# KiCad board scanhead_pcb.kicad_pcb (continued)
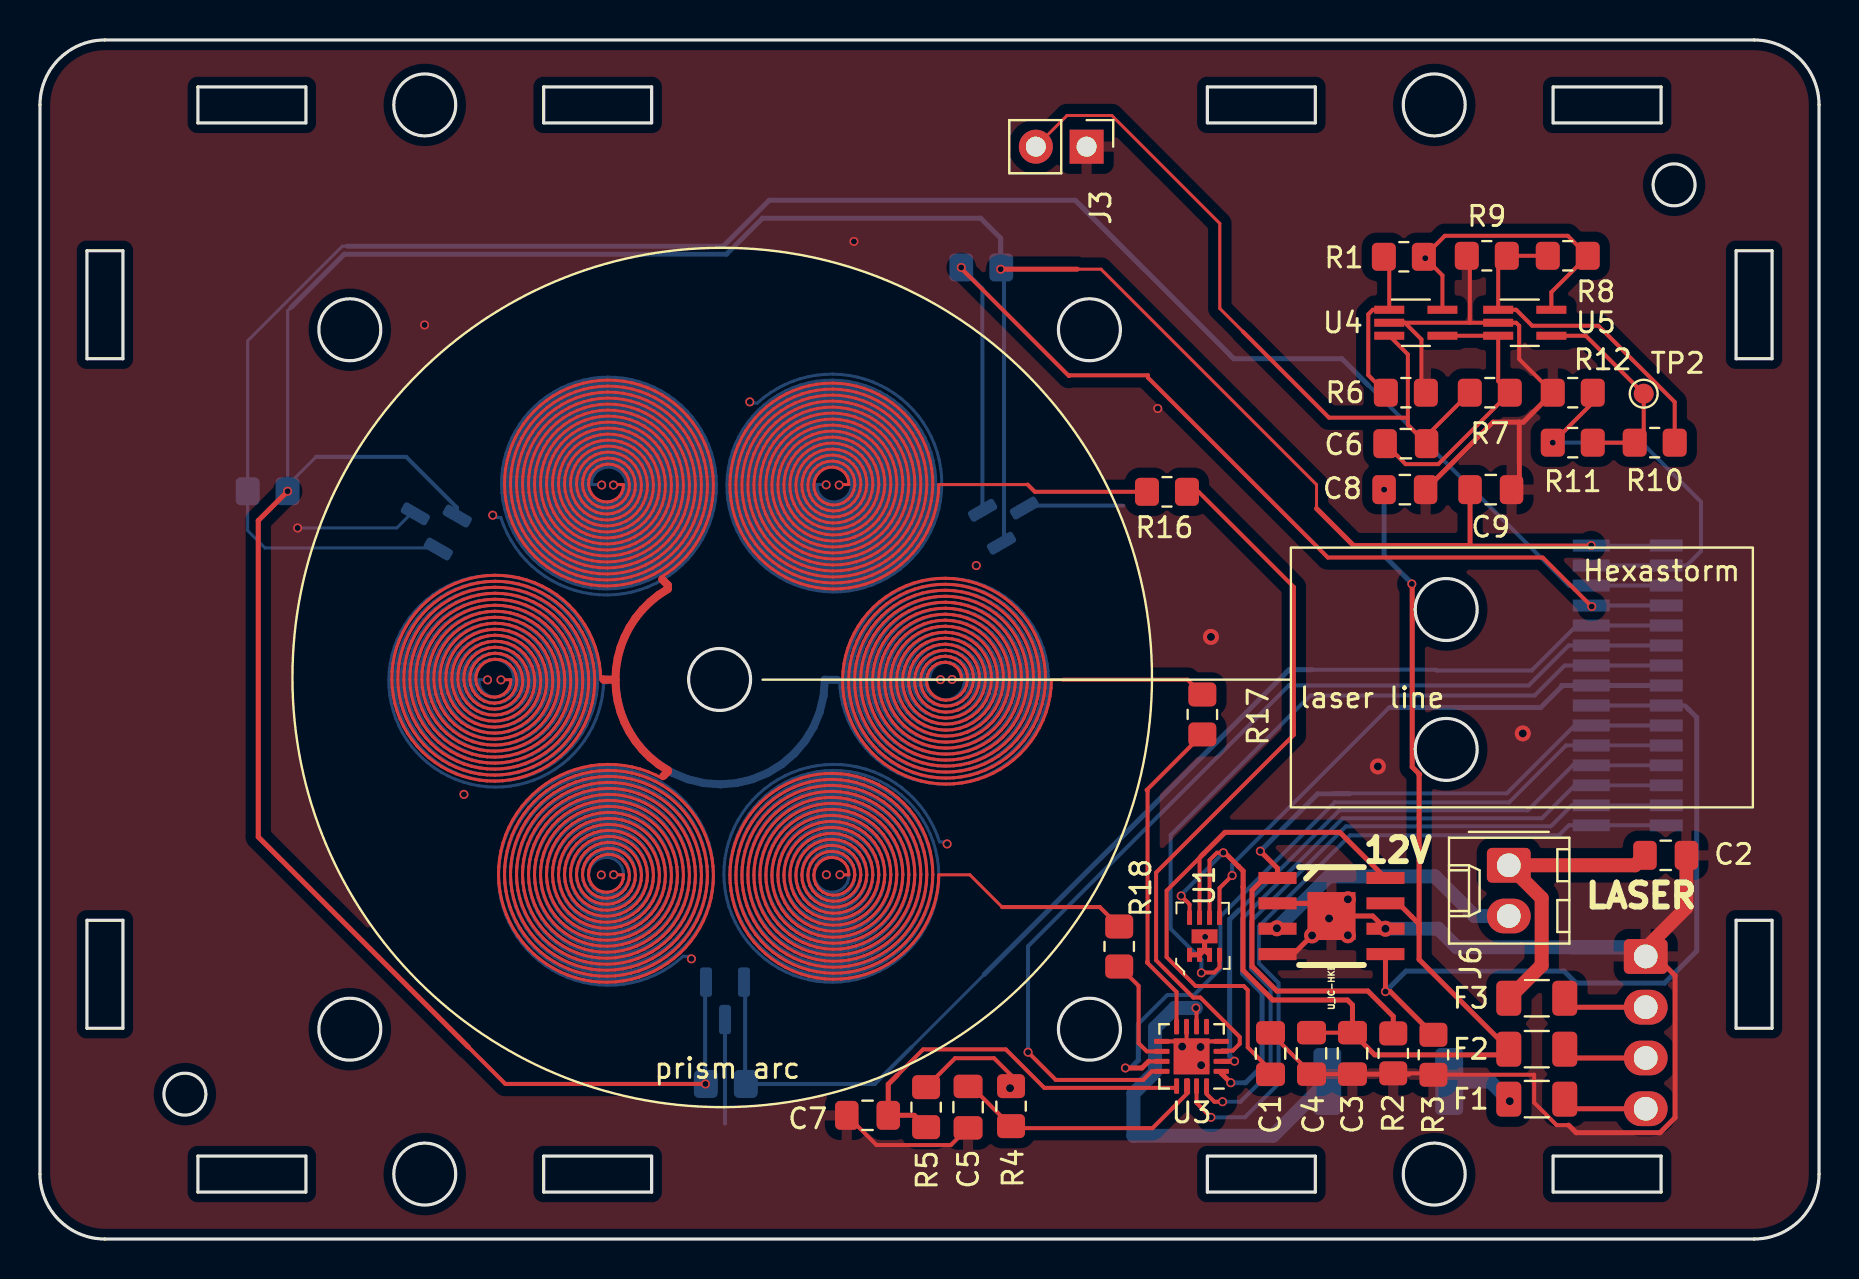
[diagram p0: board, top side]
## Routing (per net, layer and track width the routed paths; a pad name or vN(x,y) marks a point on that pad's centre or on a via; arc(x,y) is an arc through that point) (continued)
22.36,33.36 22.76,33.37 23.17,33.35 23.56,33.3 23.96,33.22 24.34,33.12 24.72,32.98 25.09,32.82 25.44,32.63 25.78,32.41 26.1,32.17 26.4,31.91 26.68,31.62 26.93,31.32 27.17,30.99 27.38,30.66 27.56,30.3 27.71,29.94 27.84,29.56 27.94,29.17 28.01,28.78 28.05,28.39 28.06,27.99 28.04,27.58 27.99,27.17 27.91,26.76 27.79,26.36 27.64,25.97 27.47,25.6 27.26,25.24 27.03,24.9 26.77,24.57 26.49,24.27 26.18,23.99 25.85,23.74 25.51,23.52 25.15,23.32 24.77,23.15 24.38,23.01 23.99,22.9 23.58,22.82 23.17,22.78 22.76,22.77 22.35,22.79 21.95,22.84 21.55,22.92 21.15,23.04 20.77,23.18 20.4,23.36 20.05,23.56 19.71,23.79 19.39,24.05 19.1,24.32 18.82,24.63 18.57,24.95 18.35,25.29 18.16,25.64 17.99,26.02 17.85,26.4 17.75,26.79 17.67,27.19 17.63,27.59 17.61,27.99 17.63,28.4 17.68,28.8 17.77,29.19 17.88,29.58 18.02,29.96 18.2,30.32 18.4,30.67 18.62,31 18.87,31.32 19.15,31.61 19.45,31.88 19.76,32.12 20.1,32.34 20.45,32.53 20.81,32.7 21.19,32.83 21.58,32.94 21.97,33.01 22.37,33.06 22.76,33.07 23.16,33.05 23.56,33 23.95,32.92 24.33,32.81 24.7,32.66 25.06,32.49 25.4,32.3 25.73,32.07 26.04,31.83 26.33,31.56 26.59,31.26 26.83,30.95 27.05,30.62 27.24,30.27 27.4,29.91 27.53,29.54 27.64,29.16 27.71,28.78 27.75,28.39 27.76,27.99 27.74,27.58 27.69,27.17 27.6,26.77 27.48,26.37 27.32,25.99 27.14,25.62 26.93,25.27 26.68,24.94 26.42,24.63 26.12,24.34 25.81,24.08 25.47,23.85 25.12,23.64 24.75,23.46 24.37,23.32 23.98,23.21 23.58,23.13 23.17,23.08 22.76,23.07 22.36,23.09 21.95,23.14 21.56,23.23 21.17,23.35 20.79,23.5 20.43,23.68 20.09,23.89 19.76,24.13 19.45,24.4 19.17,24.68 18.91,24.99 18.68,25.33 18.48,25.67 18.3,26.04 18.16,26.41 18.05,26.8 17.97,27.19 17.93,27.59 17.91,27.99 17.93,28.39 17.99,28.79 18.07,29.18 18.19,29.56 18.34,29.93 18.52,30.29 18.73,30.63 18.96,30.95 19.22,31.25 19.51,31.53 19.81,31.79 20.14,32.01 20.48,32.21 20.84,32.38 21.21,32.52 21.59,32.63 21.98,32.71 22.37,32.76 22.76,32.77 23.16,32.75 23.55,32.7 23.93,32.61 24.31,32.49 24.67,32.35 25.03,32.17 25.36,31.97 25.68,31.74 25.97,31.48 26.25,31.2 26.5,30.9 26.72,30.58 26.92,30.24 27.09,29.89 27.22,29.52 27.33,29.15 27.41,28.77 27.45,28.38 27.46,27.99 27.44,27.58 27.38,27.18 27.29,26.78 27.16,26.39 27,26.02 26.81,25.66 26.59,25.31 26.34,24.99 26.06,24.7 25.76,24.42 25.43,24.18 25.09,23.97 24.73,23.78 24.35,23.63 23.96,23.51 23.57,23.43 23.17,23.38 22.76,23.37 22.36,23.39 21.96,23.45 21.57,23.54 21.19,23.66 20.82,23.82 20.46,24.01 20.13,24.23 19.81,24.48 19.52,24.75 19.25,25.05 19.01,25.37 18.8,25.71 18.62,26.06 18.47,26.43 18.36,26.81 18.27,27.2 18.23,27.6 18.21,27.99 18.24,28.39 18.29,28.78 18.38,29.17 18.5,29.54 18.66,29.91 18.85,30.26 19.06,30.59 19.3,30.9 19.57,31.18 19.87,31.45 20.18,31.68 20.51,31.89 20.86,32.07 21.23,32.21 21.6,32.33 21.99,32.41 22.37,32.46 22.76,32.47 23.15,32.45 23.54,32.39 23.92,32.3 24.29,32.18 24.65,32.03 24.99,31.85 25.31,31.63 25.62,31.4 25.9,31.13 26.16,30.84 26.39,30.53 26.6,30.21 26.77,29.86 26.91,29.5 27.03,29.14 27.11,28.76 27.15,28.38 27.16,27.99 27.14,27.59 27.08,27.19 26.98,26.79 26.85,26.41 26.68,26.04 26.48,25.69 26.25,25.36 25.99,25.05 25.7,24.77 25.39,24.52 25.05,24.29 24.7,24.1 24.33,23.94 23.95,23.82 23.56,23.73 23.16,23.68 22.76,23.67 22.37,23.69 21.97,23.75 21.58,23.85 21.21,23.98 20.85,24.14 20.5,24.34 20.18,24.57 19.87,24.82 19.6,25.11 19.35,25.41 19.13,25.74 18.94,26.09 18.78,26.45 18.66,26.83 18.58,27.21 18.53,27.6 18.51,27.99 18.54,28.38 18.59,28.77 18.69,29.15 18.82,29.52 18.98,29.88 19.17,30.22 19.4,30.54 19.65,30.83 19.93,31.1 20.23,31.35 20.55,31.57 20.89,31.75 21.25,31.9 21.62,32.02 22,32.11 22.38,32.15 22.76,32.17 23.15,32.15 23.53,32.09 23.9,32 24.27,31.87 24.62,31.71 24.95,31.52 25.26,31.3 25.55,31.05 25.82,30.78 26.06,30.48 26.27,30.17 26.45,29.83 26.6,29.48 26.72,29.12 26.8,28.75 26.85,28.37 26.86,27.99 26.84,27.59 26.78,27.2 26.67,26.81 26.53,26.43 26.36,26.07 26.15,25.73 25.91,25.41 25.64,25.12 25.34,24.86 25.02,24.62 24.67,24.42 24.31,24.26 23.94,24.13 23.55,24.04 23.16,23.98 22.76,23.97 22.37,23.99 21.98,24.05 21.6,24.15 21.23,24.29 20.88,24.46 20.54,24.67 20.23,24.91 19.94,25.17 19.69,25.47 19.46,25.78 19.26,26.12 19.1,26.47 18.97,26.84 18.88,27.22 18.83,27.61 18.81,27.99 18.84,28.38 18.9,28.76 19,29.14 19.13,29.5 19.3,29.84 19.5,30.17 19.74,30.48 20,30.76 20.28,31.01 20.6,31.24 20.93,31.43 21.27,31.59 21.64,31.71 22.01,31.8 22.38,31.85 22.76,31.87 23.14,31.84 23.52,31.78 23.88,31.69 24.24,31.56 24.58,31.39 24.9,31.19 25.2,30.96 25.48,30.71 25.73,30.42 25.95,30.12 26.14,29.8 26.29,29.45 26.41,29.1 26.5,28.74 26.55,28.37 26.56,27.99 26.54,27.6 26.47,27.21 26.36,26.82 26.22,26.46 26.03,26.11 25.81,25.78 25.56,25.47 25.28,25.2 24.97,24.96 24.64,24.75 24.29,24.57 23.92,24.44 23.54,24.34 23.15,24.28 22.76,24.27 22.38,24.29 21.99,24.36 21.62,24.46 21.26,24.61 20.91,24.79 20.59,25 20.29,25.25 20.03,25.53 19.79,25.83 19.58,26.16 19.41,26.5 19.28,26.86 19.18,27.23 19.13,27.61 19.11,27.99 19.14,28.37 19.2,28.75 19.31,29.12 19.45,29.47 19.62,29.81 19.84,30.12 20.08,30.41 20.35,30.68 20.64,30.91 20.96,31.11 21.3,31.28 21.65,31.41 22.02,31.5 22.39,31.55 22.76,31.57 23.14,31.54 23.51,31.48 23.86,31.38 24.21,31.24 24.54,31.07 24.85,30.86 25.13,30.62 25.39,30.36 25.62,30.07 25.82,29.76 25.98,29.42 26.11,29.08 26.2,28.72 26.25,28.36 26.26,27.99 26.24,27.6 26.17,27.22 26.05,26.84 25.9,26.48 25.7,26.15 25.48,25.83 25.21,25.54 24.92,25.29 24.6,25.07 24.26,24.89 23.9,24.75 23.53,24.64 23.15,24.58 22.76,24.57 22.38,24.59 22,24.66 21.64,24.78 21.29,24.93 20.96,25.12 20.65,25.34 20.37,25.6 20.12,25.88 19.9,26.2 19.73,26.53 19.59,26.88 19.49,27.25 19.43,27.62 19.41,27.99 19.44,28.37 19.51,28.74 19.62,29.09 19.76,29.44 19.95,29.76 20.17,30.06 20.42,30.34 20.7,30.58 21.01,30.79 21.33,30.96 21.68,31.1 22.03,31.2 22.4,31.25 22.76,31.27 23.13,31.24 23.49,31.18 23.84,31.07 24.18,30.92 24.49,30.74 24.79,30.53 25.05,30.28 25.29,30.01 25.5,29.71 25.67,29.39 25.8,29.06 25.89,28.71 25.95,28.35 25.96,27.99 25.93,27.61 25.86,27.23 25.74,26.86 25.58,26.52 25.37,26.19 25.13,25.89 24.86,25.63 24.56,25.4 24.23,25.21 23.88,25.05 23.51,24.95 23.14,24.89 22.76,24.87 22.39,24.9 22.02,24.97 21.66,25.09 21.32,25.25 21.01,25.44 20.71,25.68 20.46,25.95 20.23,26.24 20.04,26.56 19.9,26.91 19.79,27.26 19.73,27.62 19.71,27.99 19.74,28.36 19.81,28.72 19.93,29.07 20.08,29.4 20.28,29.71 20.51,29.99 20.77,30.25 21.06,30.47 21.37,30.65 21.7,30.79 22.05,30.89 22.4,30.95 22.76,30.97 23.12,30.94 23.47,30.87 23.81,30.76 24.14,30.61 24.44,30.42 24.71,30.19 24.96,29.94 25.17,29.66 25.35,29.35 25.49,29.03 25.59,28.69 25.65,28.34 25.66,27.99 25.63,27.62 25.55,27.25 25.43,26.89 25.25,26.56 25.04,26.25 24.79,25.97 24.5,25.73 24.19,25.52 23.85,25.37 23.5,25.25 23.13,25.19 22.76,25.17 22.4,25.2 22.04,25.28 21.69,25.4 21.36,25.57 21.06,25.78 20.79,26.02 20.56,26.3 20.36,26.61 20.21,26.93 20.1,27.28 20.03,27.63 20.01,27.99 20.04,28.35 20.12,28.7 20.24,29.04 20.4,29.36 20.61,29.65 20.85,29.91 21.12,30.14 21.41,30.33 21.73,30.48 22.07,30.59 22.41,30.65 22.76,30.67 23.11,30.64 23.45,30.56 23.78,30.45 24.09,30.29 24.37,30.09 24.63,29.86 24.85,29.59 25.04,29.31 25.18,29 25.29,28.67 25.35,28.33 25.36,27.99 25.33,27.62 25.25,27.26 25.11,26.92 24.93,26.6 24.7,26.31 24.44,26.06 24.14,25.85 23.82,25.68 23.48,25.56 23.12,25.49 22.76,25.47 22.41,25.5 22.06,25.58 21.72,25.71 21.41,25.89 21.13,26.11 20.89,26.37 20.68,26.65 20.52,26.97 20.4,27.3 20.33,27.64 20.31,27.99 20.35,28.34 20.43,28.68 20.55,29 20.73,29.3 20.94,29.58 21.19,29.81 21.47,30.01 21.77,30.17 22.09,30.28 22.42,30.35 22.76,30.37 23.1,30.34 23.43,30.26 23.74,30.13 24.03,29.97 24.3,29.76 24.53,29.52 24.72,29.25 24.87,28.96 24.98,28.64 25.05,28.32 25.06,27.99 25.03,27.63 24.94,27.29 24.79,26.96 24.6,26.66 24.36,26.39 24.09,26.17 23.78,25.99 23.46,25.86 23.11,25.79 22.76,25.77 22.42,25.8 22.08,25.89 21.76,26.03 21.47,26.22 21.22,26.45 21,26.71 20.83,27.01 20.7,27.32 20.63,27.66 20.61,27.99 20.65,28.33 20.73,28.65 20.87,28.96 21.05,29.24 21.27,29.49 21.53,29.7 21.81,29.86 22.12,29.98 22.44,30.05 22.76,30.07 23.09,30.04 23.4,29.95 23.7,29.82 23.97,29.65 24.2,29.43 24.41,29.19 24.57,28.91 24.68,28.62 24.75,28.31 24.76,27.99 24.73,27.65 24.63,27.31 24.47,27.01 24.27,26.73 24.02,26.49 23.74,26.3 23.43,26.17 23.1,26.09 22.76,26.07 22.43,26.11 22.11,26.2 21.81,26.35 21.55,26.54 21.32,26.78 21.14,27.06 21.01,27.35 20.93,27.67 20.91,27.99 20.95,28.31 21.04,28.62 21.18,28.91 21.37,29.16 21.6,29.38 21.86,29.55 22.15,29.68 22.45,29.75 22.76,29.77 23.07,29.73 23.37,29.65 23.64,29.51 23.88,29.33 24.09,29.11 24.26,28.86 24.38,28.58 24.45,28.29 24.46,27.99 24.42,27.66 24.32,27.35 24.15,27.06 23.94,26.82 23.68,26.62 23.39,26.47 23.08,26.39 22.76,26.37 22.45,26.41 22.15,26.51 21.88,26.67 21.64,26.87 21.45,27.12 21.31,27.39 21.23,27.69 21.21,27.99 21.25,28.29 21.35,28.58 21.5,28.84 21.69,29.06 21.93,29.24 22.19,29.37 22.47,29.45 22.76,29.47 23.05,29.43 23.32,29.34 23.57,29.2 23.78,29.01 23.95,28.79 24.07,28.54 24.15,28.27 24.16,27.99 24.12,27.68 24.01,27.39 23.83,27.14 23.61,26.93 23.35,26.78 23.06,26.69 22.76,26.67 22.47,26.71 22.2,26.82 21.96,26.98 21.76,27.19 21.62,27.44 21.53,27.71 21.51,27.99 21.56,28.27 21.66,28.53 21.81,28.75 22.01,28.94 22.24,29.07 22.5,29.15 22.76,29.17 23.02,29.13 23.26,29.03 23.48,28.89 23.65,28.7 23.77,28.48 23.85,28.24 23.86,27.99 23.81,27.71 23.69,27.46 23.52,27.24 23.29,27.08 23.03,26.99 22.76,26.97 22.5,27.02 22.26,27.13 22.07,27.29 21.92,27.51 21.83,27.74 21.81,27.99 21.86,28.24 21.96,28.46 22.12,28.64 22.31,28.77 22.53,28.85 22.76,28.87 22.99,28.83 23.19,28.73 23.36,28.59 23.48,28.41 23.55,28.2 23.56,27.99 23.11,27.99 ; 45.38,19.76 45.06,19.44 45,19.44 45.07,19.04 45.11,18.64 45.13,18.23 45.11,17.82 45.06,17.42 44.98,17.02 44.87,16.63 44.73,16.24 44.57,15.87 44.37,15.52 44.16,15.17 43.91,14.85 43.65,14.55 43.36,14.26 43.05,14 42.72,13.76 42.38,13.55 42.02,13.37 41.65,13.21 41.26,13.08 40.87,12.98 40.48,12.91 40.08,12.87 39.68,12.85 39.28,12.87 38.88,12.92 38.48,13 38.1,13.11 37.72,13.24 37.35,13.41 37,13.6 36.66,13.81 36.35,14.05 36.04,14.31 35.77,14.6 35.51,14.9 35.27,15.23 35.06,15.57 34.88,15.92 34.73,16.29 34.6,16.66 34.5,17.05 34.43,17.44 34.39,17.83 34.38,18.23 34.4,18.64 34.45,19.06 34.53,19.46 34.65,19.86 34.8,20.25 34.97,20.62 35.18,20.98 35.41,21.33 35.67,21.65 35.96,21.95 36.26,22.23 36.59,22.48 36.93,22.71 37.29,22.9 37.67,23.07 38.06,23.21 38.45,23.32 38.86,23.4 39.27,23.44 39.68,23.45 40.09,23.43 40.49,23.38 40.89,23.3 41.29,23.18 41.67,23.04 42.04,22.86 42.39,22.66 42.73,22.43 43.05,22.18 43.34,21.9 43.62,21.6 43.87,21.27 44.09,20.93 44.29,20.58 44.45,20.21 44.59,19.82 44.7,19.43 44.77,19.04 44.81,18.63 44.83,18.23 44.81,17.82 44.76,17.42 44.67,17.03 44.56,16.64 44.42,16.26 44.25,15.9 44.05,15.55 43.82,15.22 43.57,14.91 43.29,14.61 42.99,14.34 42.68,14.1 42.34,13.88 41.99,13.69 41.63,13.52 41.25,13.39 40.86,13.28 40.47,13.21 40.07,13.17 39.68,13.15 39.28,13.17 38.88,13.22 38.49,13.3 38.11,13.42 37.74,13.56 37.38,13.73 37.04,13.92 36.71,14.15 36.4,14.4 36.11,14.67 35.85,14.96 35.61,15.27 35.39,15.6 35.2,15.95 35.04,16.31 34.91,16.68 34.8,17.06 34.73,17.45 34.69,17.84 34.68,18.23 34.7,18.64 34.75,19.05 34.84,19.45 34.96,19.85 35.12,20.23 35.3,20.6 35.51,20.95 35.76,21.28 36.02,21.59 36.32,21.88 36.63,22.14 36.97,22.37 37.32,22.58 37.69,22.76 38.07,22.9 38.46,23.01 38.86,23.09 39.27,23.14 39.68,23.15 40.08,23.13 40.49,23.08 40.88,22.99 41.27,22.87 41.65,22.72 42.01,22.54 42.36,22.33 42.68,22.09 42.99,21.83 43.27,21.54 43.53,21.23 43.76,20.9 43.96,20.55 44.14,20.18 44.28,19.81 44.39,19.42 44.47,19.03 44.51,18.63 44.53,18.23 44.51,17.83 44.45,17.43 44.37,17.04 44.25,16.66 44.1,16.29 43.92,15.93 43.71,15.59 43.48,15.27 43.22,14.97 42.93,14.69 42.63,14.44 42.3,14.21 41.96,14.01 41.6,13.84 41.23,13.7 40.85,13.59 40.46,13.51 40.07,13.47 39.68,13.45 39.28,13.47 38.89,13.53 38.51,13.61 38.13,13.73 37.77,13.87 37.42,14.05 37.08,14.25 36.76,14.49 36.47,14.74 36.19,15.02 35.94,15.32 35.72,15.64 35.52,15.98 35.35,16.33 35.22,16.7 35.11,17.07 35.03,17.45 34.99,17.84 34.98,18.23 35,18.64 35.06,19.04 35.15,19.44 35.28,19.83 35.44,20.21 35.63,20.57 35.85,20.91 36.1,21.23 36.38,21.53 36.68,21.8 37.01,22.04 37.35,22.26 37.71,22.44 38.09,22.59 38.48,22.71 38.87,22.79 39.27,22.84 39.68,22.85 40.08,22.83 40.48,22.78 40.87,22.68 41.25,22.56 41.62,22.4 41.98,22.21 42.31,21.99 42.63,21.75 42.92,21.47 43.19,21.17 43.43,20.86 43.64,20.52 43.82,20.16 43.97,19.79 44.08,19.41 44.17,19.02 44.21,18.63 44.23,18.23 44.2,17.83 44.15,17.44 44.06,17.05 43.94,16.68 43.78,16.31 43.6,15.97 43.38,15.64 43.14,15.33 42.87,15.04 42.57,14.78 42.26,14.54 41.93,14.33 41.58,14.15 41.21,14.01 40.84,13.89 40.45,13.81 40.07,13.77 39.68,13.75 39.29,13.77 38.9,13.83 38.52,13.92 38.15,14.04 37.79,14.19 37.45,14.37 37.13,14.59 36.82,14.83 36.54,15.09 36.28,15.38 36.05,15.69 35.84,16.02 35.67,16.36 35.53,16.72 35.41,17.09 35.34,17.46 35.29,17.84 35.28,18.23 35.3,18.63 35.36,19.04 35.46,19.43 35.59,19.81 35.76,20.18 35.96,20.53 36.19,20.86 36.45,21.17 36.74,21.45 37.05,21.7 37.39,21.93 37.74,22.12 38.11,22.28 38.49,22.4 38.88,22.49 39.28,22.54 39.68,22.55 40.08,22.53 40.47,22.47 40.86,22.38 41.23,22.25 41.59,22.08 41.94,21.88 42.26,21.66 42.57,21.4 42.84,21.12 43.09,20.81 43.31,20.48 43.5,20.13 43.66,19.77 43.78,19.4 43.86,19.01 43.91,18.62 43.93,18.23 43.9,17.84 43.85,17.45 43.75,17.07 43.62,16.7 43.46,16.34 43.27,16.01 43.04,15.69 42.79,15.39 42.51,15.12 42.21,14.87 41.89,14.66 41.55,14.47 41.19,14.32 40.82,14.2 40.45,14.12 40.06,14.07 39.68,14.05 39.29,14.08 38.91,14.13 38.54,14.23 38.17,14.35 37.83,14.51 37.49,14.7 37.18,14.92 36.89,15.17 36.62,15.44 36.38,15.74 36.17,16.06 35.99,16.39 35.84,16.74 35.72,17.1 35.64,17.47 35.59,17.85 35.58,18.23 35.6,18.63 35.66,19.03 35.77,19.41 35.91,19.79 36.08,20.15 36.29,20.49 36.53,20.81 36.8,21.1 37.1,21.37 37.42,21.6 37.77,21.8 38.13,21.96 38.5,22.09 38.89,22.19 39.28,22.24 39.68,22.25 40.07,22.23 40.46,22.17 40.84,22.07 41.21,21.93 41.56,21.76 41.9,21.55 42.21,21.31 42.5,21.05 42.76,20.76 42.98,20.44 43.18,20.1 43.34,19.75 43.47,19.38 43.56,19 43.61,18.62 43.63,18.23 43.6,17.84 43.54,17.46 43.44,17.09 43.31,16.72 43.14,16.38 42.94,16.05 42.7,15.74 42.44,15.46 42.16,15.21 41.84,14.98 41.51,14.79 41.17,14.63 40.81,14.51 40.43,14.42 40.06,14.37 39.68,14.35 39.3,14.38 38.92,14.44 38.56,14.53 38.2,14.67 37.86,14.83 37.54,15.03 37.24,15.26 36.96,15.52 36.71,15.8 36.49,16.1 36.3,16.43 36.15,16.77 36.03,17.12 35.94,17.49 35.89,17.86 35.88,18.23 35.9,18.63 35.97,19.02 36.08,19.4 36.22,19.77 36.41,20.12 36.63,20.44 36.88,20.75 37.16,21.02 37.47,21.27 37.8,21.48 38.15,21.65 38.52,21.79 38.9,21.88 39.29,21.94 39.68,21.95 40.07,21.93 40.45,21.86 40.82,21.76 41.18,21.61 41.53,21.43 41.85,21.22 42.15,20.97 42.41,20.69 42.65,20.39 42.86,20.07 43.03,19.72 43.16,19.36 43.26,18.99 43.31,18.61 43.33,18.23 43.3,17.85 43.24,17.47 43.13,17.11 42.99,16.75 42.82,16.42 42.61,16.1 42.36,15.81 42.09,15.55 41.8,15.31 41.48,15.11 41.14,14.94 40.79,14.81 40.42,14.72 40.05,14.67 39.68,14.65 39.3,14.68 38.94,14.74 38.58,14.84 38.23,14.98 37.9,15.15 37.59,15.36 37.31,15.6 37.05,15.86 36.82,16.15 36.62,16.47 36.46,16.8 36.33,17.14 36.24,17.5 36.19,17.86 36.18,18.23 36.2,18.62 36.27,19.01 36.39,19.38 36.54,19.74 36.74,20.08 36.97,20.39 37.23,20.68 37.52,20.93 37.84,21.15 38.18,21.33 38.54,21.48 38.91,21.58 39.29,21.64 39.68,21.65 40.06,21.63 40.44,21.56 40.8,21.45 41.15,21.3 41.48,21.11 41.79,20.88 42.07,20.62 42.32,20.34 42.54,20.03 42.71,19.69 42.85,19.34 42.95,18.98 43.01,18.6 43.03,18.23 43,17.85 42.93,17.49 42.82,17.13 42.68,16.78 42.49,16.46 42.27,16.16 42.02,15.89 41.74,15.64 41.43,15.43 41.11,15.26 40.76,15.12 40.41,15.03 40.04,14.97 39.68,14.95 39.31,14.98 38.95,15.05 38.6,15.15 38.26,15.3 37.95,15.48 37.65,15.69 37.39,15.94 37.15,16.21 36.94,16.51 36.77,16.83 36.64,17.17 36.55,17.51 36.49,17.87 36.48,18.23 36.51,18.61 36.58,18.99 36.7,19.36 36.86,19.71 37.07,20.03 37.31,20.33 37.58,20.59 37.88,20.82 38.21,21.02 38.56,21.17 38.93,21.27 39.3,21.34 39.68,21.35 40.05,21.33 40.42,21.25 40.78,21.13 41.12,20.98 41.44,20.78 41.73,20.54 41.99,20.27 42.21,19.98 42.4,19.66 42.54,19.32 42.65,18.96 42.71,18.6 42.73,18.23 42.7,17.86 42.63,17.5 42.51,17.15 42.36,16.82 42.16,16.51 41.93,16.23 41.67,15.98 41.38,15.76 41.07,15.57 40.74,15.43 40.39,15.33 40.04,15.27 39.68,15.25 39.32,15.28 38.97,15.35 38.63,15.46 38.3,15.61 38,15.8 37.73,16.03 37.48,16.28 37.27,16.56 37.09,16.87 36.95,17.19 36.85,17.53 36.79,17.88 36.78,18.23 36.81,18.61 36.89,18.98 37.01,19.33 37.19,19.67 37.4,19.97 37.65,20.25 37.94,20.49 38.25,20.7 38.59,20.86 38.94,20.97 39.31,21.04 39.68,21.05 40.04,21.02 40.4,20.95 40.75,20.82 41.08,20.65 41.38,20.45 41.65,20.2 41.88,19.92 42.08,19.62 42.23,19.29 42.34,18.94 42.41,18.59 42.43,18.23 42.4,17.87 42.32,17.52 42.2,17.18 42.04,16.87 41.83,16.57 41.59,16.31 41.32,16.08 41.03,15.89 40.71,15.74 40.37,15.63 40.03,15.57 39.68,15.55 39.33,15.58 38.99,15.66 38.66,15.77 38.35,15.93 38.07,16.13 37.81,16.36 37.59,16.63 37.4,16.92 37.26,17.23 37.15,17.55 37.09,17.89 37.08,18.23 37.11,18.6 37.19,18.96 37.33,19.3 37.51,19.62 37.74,19.91 38,20.16 38.3,20.38 38.62,20.54 38.96,20.66 39.32,20.73 39.68,20.75 40.03,20.72 40.38,20.64 40.72,20.51 41.03,20.33 41.31,20.11 41.55,19.86 41.76,19.57 41.92,19.25 42.04,18.92 42.11,18.58 42.13,18.23 42.09,17.88 42.01,17.54 41.89,17.22 41.71,16.92 41.5,16.65 41.25,16.41 40.98,16.21 40.67,16.05 40.35,15.94 40.02,15.87 39.68,15.85 39.34,15.88 39.01,15.96 38.7,16.09 38.41,16.25 38.14,16.46 37.91,16.7 37.72,16.97 37.57,17.26 37.46,17.58 37.39,17.9 37.38,18.23 37.41,18.59 37.5,18.93 37.65,19.26 37.84,19.56 38.08,19.83 38.35,20.05 38.66,20.23 38.98,20.36 39.33,20.43 39.68,20.45 40.02,20.42 40.36,20.33 40.68,20.19 40.97,20 41.22,19.78 41.44,19.51 41.61,19.21 41.74,18.9 41.81,18.57 41.83,18.23 41.79,17.89 41.71,17.57 41.57,17.26 41.39,16.98 41.17,16.73 40.91,16.53 40.63,16.36 40.32,16.24 40,16.17 39.68,16.15 39.35,16.19 39.04,16.27 38.74,16.4 38.47,16.57 38.24,16.79 38.03,17.04 37.87,17.31 37.76,17.61 37.69,17.91 37.68,18.23 37.72,18.57 37.81,18.91 37.97,19.22 38.17,19.49 38.42,19.73 38.7,19.92 39.01,20.05 39.34,20.13 39.68,20.15 40.01,20.12 40.33,20.02 40.63,19.87 40.89,19.68 41.12,19.44 41.3,19.17 41.43,18.87 41.51,18.55 41.53,18.23 41.49,17.91 41.4,17.6 41.26,17.32 41.07,17.06 40.84,16.84 40.58,16.67 40.29,16.54 39.99,16.47 39.68,16.45 39.37,16.49 39.08,16.58 38.8,16.71 38.56,16.89 38.35,17.11 38.18,17.37 38.06,17.64 37.99,17.93 37.98,18.23 38.02,18.56 38.12,18.87 38.29,19.16 38.5,19.4 38.76,19.6 39.05,19.75 39.36,19.83 39.68,19.85 39.99,19.81 40.29,19.71 40.56,19.56 40.8,19.35 40.99,19.11 41.13,18.83 41.21,18.53 41.23,18.23 41.19,17.93 41.09,17.64 40.94,17.38 40.75,17.16 40.51,16.98 40.25,16.85 39.97,16.77 39.68,16.75 39.39,16.79 39.12,16.88 38.87,17.03 38.66,17.21 38.49,17.44 38.37,17.69 38.29,17.95 38.28,18.23 38.32,18.54 38.43,18.83 38.61,19.08 38.83,19.29 39.09,19.44 39.38,19.53 39.68,19.55 39.97,19.51 40.24,19.4 40.48,19.24 40.68,19.03 40.82,18.78 40.91,18.51 40.93,18.23 40.88,17.95 40.78,17.7 40.63,17.47 40.43,17.28 40.2,17.15 39.94,17.07 39.68,17.05 39.42,17.09 39.18,17.19 38.96,17.34 38.79,17.52 38.67,17.74 38.59,17.98 38.58,18.23 38.63,18.51 38.75,18.77 38.93,18.98 39.15,19.14 39.41,19.23 39.68,19.25 39.94,19.21 40.18,19.09 40.37,18.93 40.52,18.72 40.61,18.48 40.63,18.23 40.58,17.99 40.48,17.77 40.32,17.58 40.13,17.45 39.91,17.37 39.68,17.35 39.45,17.4 39.25,17.49 39.08,17.64 38.96,17.82 38.89,18.02 38.88,18.23 39.33,18.23
  In2.Cu w0.4: 31.25,23.07 31.42,23.25 31.42,23.46 32.16,23.1 32.95,22.87 33.76,22.76 34.59,22.78 35.39,22.93 36.17,23.21 36.89,23.6 37.54,24.1 38.11,24.7 38.57,25.37 38.93,26.12 39.16,26.9 39.27,27.72 39.25,28.54 39.1,29.35 38.82,30.12 38.43,30.85 37.93,31.5 37.34,32.06 36.66,32.53 36.66,32.61 36.87,32.82